# Altium PCB Wl-FRONT.PcbDoc
Units mm, origin at the board's own origin, x right, y up, seen from the top; angles counter-clockwise.
Board outline 140 x 64.5 mm, 2 copper layers (Top Layer, Bottom Layer), stack 1.671 mm thick; 40 components, 47 nets, 211 pads, 63 vias.
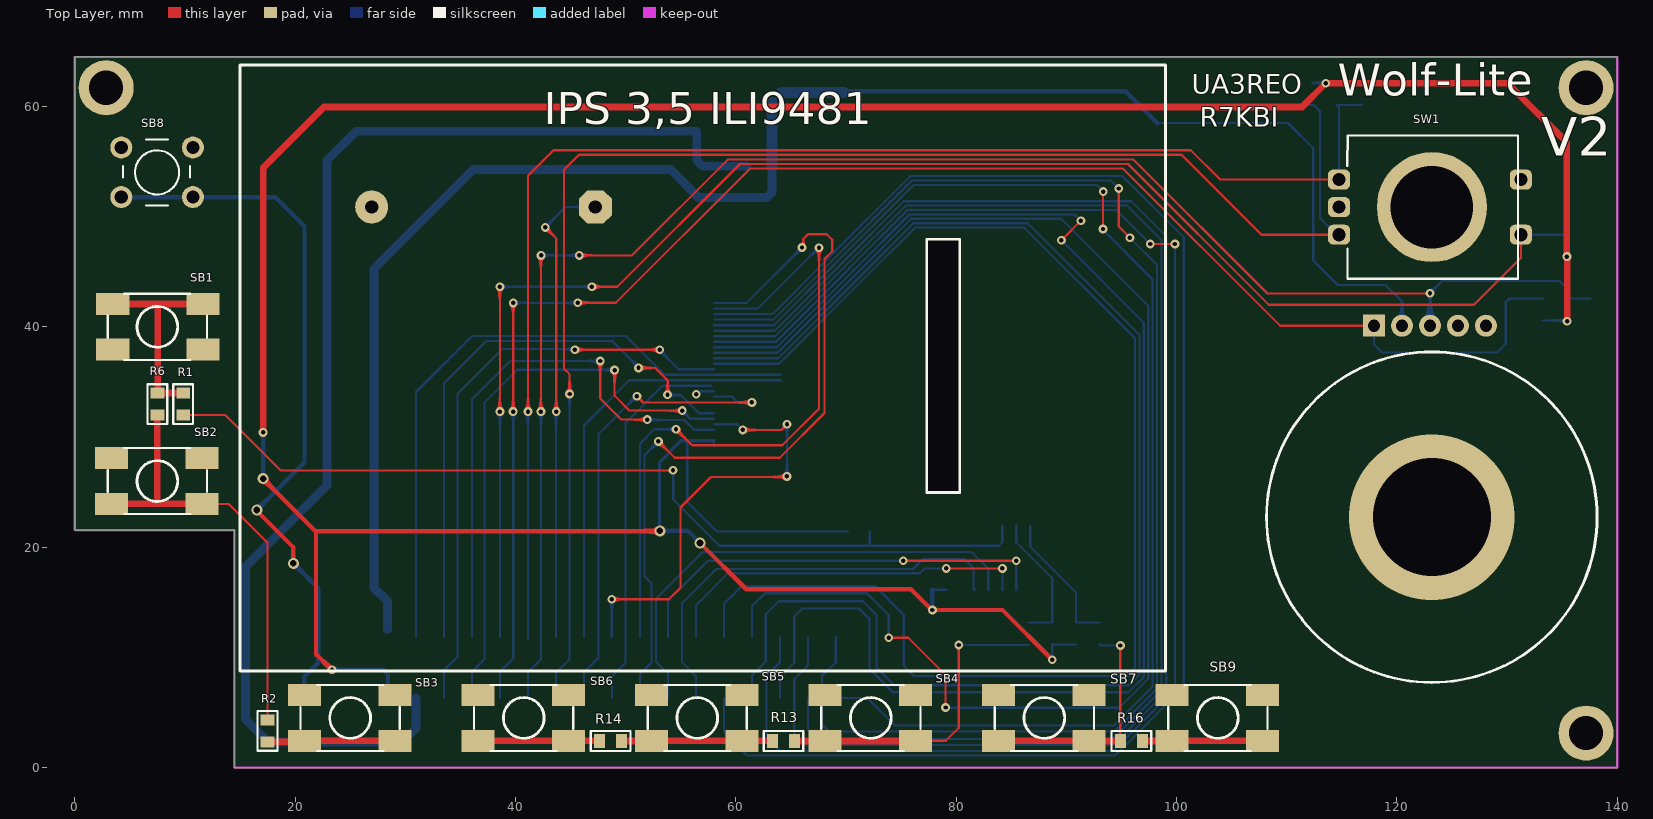
[diagram p0: Top Layer view]
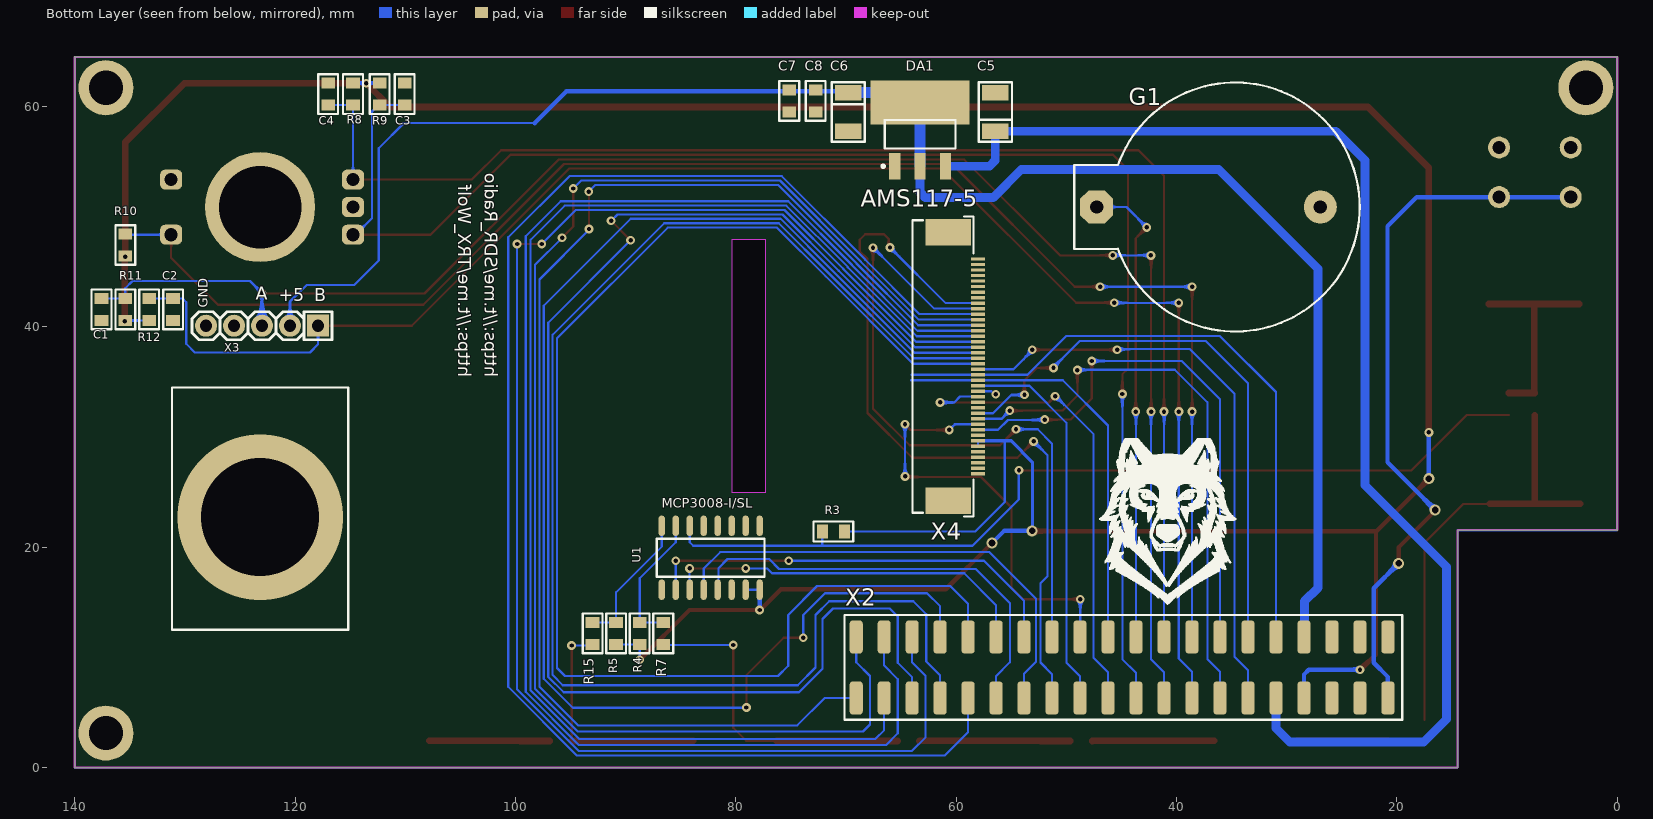
[diagram p1: Bottom Layer view, seen from below]

## Layer stack, top to bottom
Top Solder: solder mask 0.0102, Solder Resist, Dk 3.5
Top Layer: signal copper 0.0356
Dielectric 1: dielectric 1.6, FR-4, Dk 4.8
Bottom Layer: signal copper 0.0356
Bottom Solder: solder mask 0.0102, Solder Resist, Dk 3.5

## Board outline
0,21.55 0,64.5 140,64.5 140,0 14.5,0 14.5,21.55
cut-out: 77.325,24.95 80.325,24.95 80.325,47.95 77.325,47.95

## Design rules (kind name [scope] priority, off if disabled: settings)
Clearance [All] p1: gap=0.2 ignorepadtopadclearanceinfootprint=FALSE except(0: Arc-Hole Track-Hole SMDPad-Hole THPad-Hole Via-Hole Fill-Hole Poly-Hole Region-Hole Text-Hole)
ComponentClearance [All] p1: gap=0 collisioncheckmode=3 verticalgap=0 showdistances=FALSE
PolygonConnect [All] p1: connectstyle=Relief reliefconductorwidth=0.254 reliefentries=4 polygonreliefangle="90 Angle" airgapwidth=0.254
RoutingVias [All] p1: holewidth=0.4 width=0.8 viastyle="Through Hole" minholewidth=0.3 minwidth=0.6 maxholewidth=4 maxwidth=5
SolderMaskExpansion [All] p1: expansion=0.102 istentingtop=FALSE
Width [All] p1: maxlimit=1 minlimit=0.15 preferedwidth=0.2
29 further rules are at their usual default settings.

## Components (designator, comment, footprint, x,y, rotation, side; value= is the part's Value field where it differs from the comment)
C1 "0.1" CH0805C 137.575,41.575 r270 bottom
C2 "0.1" CH0805C 131.075,41.575 r270 bottom
C3 "0.1" CH0805C 110.05,61.125 r90 bottom
C4 "0.1" CH0805C 117,61.125 r90 bottom
C5 "10uF 10V" TANTAL_B 56.446,59.5 r90 bottom
C6 "10uF 10V" TANTAL_B 69.8,59.5 r270 bottom
C7 "0.1" CH0805C 75.15,60.5 r270 bottom
C8 "0.1" CH0805C 72.75,60.5 r270 bottom
DA1 "AMS117-5" SOT223 63.275,57.475 r90 bottom
G1 "3V" "BAT: CH224-2032" 37.1,50.875 r180 bottom
R1 "1K" CH0805R 9.842,32.988 r90 top
R2 "4.7K" CH0805R 17.495,3.325 r270 top
R3 "4K7" CH0805R 71.15,21.427 r180 bottom
R4 "4K7" CH0805R 88.724,12.176 r270 bottom
R5 "4K7" CH0805R 90.863,12.176 r270 bottom
R6 "2K" CH0805R 7.5,32.988 r270 top
R7 "1K" CH0805R 86.585,12.176 r270 bottom
R8 "4.7k" CH0805R 114.75,61.125 r270 bottom
R9 "4.7k" CH0805R 112.325,61.125 r270 bottom
R10 "4.7k" CH0805R 135.408,47.425 r90 bottom
R11 "4.7k" CH0805R 135.408,41.575 r90 bottom
R12 "4.7k" CH0805R 133.242,41.575 r90 bottom
R13 "2K" CH0805R 64.327,2.413 r180 top
R14 "4.7K" CH0805R 48.64,2.413 r180 top
R15 "1K" CH0805R 93.002,12.176 r270 bottom
R16 "2K" CH0805R 95.9,2.413 r0 top
SB1 "\"Кнопка\"" "BUT: 6x6 SMD" 7.5,40 r0 top
SB2 "\"Кнопка\"" "BUT: 6x6 SMD" 7.5,26 r180 top
SB3 "\"Кнопка\"" "BUT: 6x6 SMD" 25,4.5 r180 top
SB4 "\"Кнопка\"" "BUT: 6x6 SMD" 72.25,4.5 r180 top
SB5 "\"Кнопка\"" "BUT: 6x6 SMD" 56.5,4.5 r180 top
SB6 "\"Кнопка\"" "BUT: 6x6 SMD" 40.75,4.5 r180 top
SB7 "\"Кнопка\"" "BUT: 6x6 SMD" 88,4.5 r180 top
SB8 "\"Power\"" "BUT: 6x6" 7.475,54.025 r180 top
SB9 "\"Кнопка\"" "BUT: 6x6 SMD" 103.75,4.5 r180 top
SW1 "PEC12" Valkoder-m2 123.351,51.413 r270 top
U1 "MCP3008-I/SL" 16-SOIC 82.285,19.016 r270 bottom
X2 "FPC 0.5" "CON: PBD2x20" 19.76,6.335 r0 bottom locked
X3 "Valcoder" "CON: PLS-5" 123,40.1 r0 bottom
X4 "IPS 3.5" "IPS 3.5 ILI9481" 15.5,63.6 r0 bottom

## Footprints (in the part's own frame and the unit in brackets; to place one, negate y for a bottom-side part, rotate by r counter-clockwise, add the part's x,y. Pads: shape width x height; smd on the part's side, far side on the other; paste and mask are expansions set on the pad)
16-SOIC [mm]
  oval 1.85x0.6 smd: 1(-2.925,4.448) 2(-2.925,3.178) 3(-2.925,1.908) 4(-2.925,0.638) 5(-2.925,-0.632) 6(-2.925,-1.902) 7(-2.925,-3.172) 8(-2.925,-4.442) 9(2.875,-4.442) 10(2.875,-3.172) 11(2.875,-1.902) 12(2.875,-0.632) 13(2.875,0.638) 14(2.875,1.908) 15(2.875,3.178) 16(2.875,4.448)
  round 0.7 on Bottom Overlay: 10(-2.9,5.4)
  round 0.7 on Mech2: 25(-2.5,4.3)
  silkscreen extent -1.75,-4.9 1.7,4.9, body extent -3.09,-5.01 3.04,4.96, height 1.73
"BAT: CH224-2032" [mm] "Батарейный отсек для элемента 2032"
  oct 3x3 hole 1.2: 1(-10.151,0)
  round 3 hole 1.2: 2(10.152,0)
  silkscreen extent -12.19,-11.3 13.72,11.3, body extent -11.08,-11 13.42,11, height 8.5
"BUT: 6x6" [mm] "Leaded Tactile Button 6x6"
  round 2 hole 1.2: 1(-3.25,2.25) 1(3.25,2.25) 2(-3.25,-2.25) 2(3.25,-2.25)
  silkscreen extent -3,-2.99 3.1,3.01, body extent -3.15,-2.96 3.25,3.04, height 4.5
"BUT: 6x6 SMD" [mm] "Leaded Tactile Button 6x6"
  rect 3x2 smd: 1(-4.05,2.075) 1(4.15,2.075) 2(-4.05,-2.075) 2(4.15,-2.075)
  silkscreen extent -4.5,-3 4.5,3, body extent -4.5,-3 4.5,3, height 9.5
CH0805C [mm] "Chip Capacitor, 2-Leads, Body 2,00x1,20mm, IPC Medium Density"
  rect 1x1.25 smd: 1(-1,0) 2(1,0)
  silkscreen extent -1.8,-0.9 1.8,0.9, body extent -1,-0.62 1,0.63, height 0.78
CH0805R [mm]
  rect 1x1.25 smd: 1(-1,0) 2(1,0)
  silkscreen extent -1.8,-0.9 1.8,0.9, body extent -1,-0.6 1,0.6, height 0.44
"CON: PBD2x20" [mm]
  round 0.5 on Bottom Overlay: 0(-0.945,-4.715)
  rrect50% 1.2x3 smd: 1(1.055,0.025) 2(1.055,-5.515) 3(3.595,0.025) 4(3.595,-5.515) 5(6.135,0.025) 6(6.135,-5.515) 7(8.675,0.025) 8(8.675,-5.515) 9(11.215,0.025) 10(11.215,-5.515) 11(13.755,0.025) 12(13.755,-5.515) 13(16.295,0.025) 14(16.295,-5.515) 15(18.835,0.025) 16(18.835,-5.515) 17(21.375,0.025) 18(21.375,-5.515) 19(23.915,0.025) 20(23.915,-5.515) 21(26.459,0.025) 22(26.459,-5.515) 23(28.999,0.025) 24(28.999,-5.515) 25(31.539,0.025) 26(31.539,-5.515) 27(34.079,0.025) 28(34.079,-5.515) 29(36.619,0.025) 30(36.619,-5.515) 31(39.159,0.025) 32(39.159,-5.515) 33(41.699,0.025) 34(41.699,-5.515) 35(44.239,0.025) 36(44.239,-5.515) 37(46.779,0.025) 38(46.779,-5.515) 39(49.319,0.025) 40(49.319,-5.515)
  round 0.5 on Mech2: ""(0.455,-4.715)
  silkscreen extent -0.25,-7.5 50.37,2, body extent -0.25,-6.07 50.56,0.47, height 7.5
"CON: PLS-5" [mm]
  rect 2x2 hole 1.1: 1(-5.08,0)
  round 2 hole 1.1: 2(-2.54,0) 3(0,0) 4(2.54,0) 5(5.08,0)
  silkscreen extent -6.35,-1.27 6.35,1.27, body extent -6.35,-1.27 6.35,1.27, height 8.54
"IPS 3.5 ILI9481" [mm] "IPS 3.5 ILI9481"
  rect 1.25x0.3 smd: 1(42.525,36.95) 2(42.525,36.45) 3(42.525,35.95) 4(42.525,35.45) 5(42.525,34.95) 6(42.525,34.45) 7(42.525,33.95) 8(42.525,33.45) 9(42.525,32.95) 10(42.525,32.45) 11(42.525,31.95) 12(42.525,31.45) 13(42.525,30.95) 14(42.525,30.45) 15(42.525,29.95) 16(42.525,29.45) 17(42.525,28.95) 18(42.525,28.45) 19(42.525,27.95) 20(42.525,27.45) 21(42.525,26.95) 22(42.525,26.45) 23(42.525,25.95) 24(42.525,25.45) 25(42.525,24.95) 26(42.525,24.45) 27(42.525,23.95) 28(42.525,23.45) 29(42.525,22.95) 30(42.525,22.45) 31(42.525,21.95) 32(42.525,21.45) 33(42.525,20.95) 34(42.525,20.45) 35(42.525,19.95) 36(42.525,19.45) 37(42.525,18.95) 38(42.525,18.45) 39(42.525,17.95) 40(42.525,17.45)
  rect 4.15x2.4 smd: 41(45.225,15) 41(45.225,39.4)
  round 0.5 on Bottom Overlay: ""(42.025,16.7)
  round 0.5 on Mech2: ""(42.625,14.65)
  silkscreen extent 42.93,13.57 48.48,40.83, body extent 42.13,14.07 48.33,40.32, height 1.88
SOT223 [mm] "SOT223, 4-Leads, Body 6,50x7,00mm (avg), Pitch 2,30mm, IPC Medium Density"
  rect 2.4x1 smd: 1(-2.9,2.3) 2(-2.9,0) 3(-2.9,-2.3)
  rect 4x9 smd: 4(2.9,0)
  round 0.5 on Mech2: ""(-3,2.7)
  silkscreen extent -3.02,-3.2 1.3,3.48, body extent -3.48,-3.25 3.48,3.25, height 1.65
TANTAL_B [mm]
  rect 1.4x2.4 smd: 1(-1.75,0) 2(1.75,0)
  round 0.5 on Mech2: ""(-1.4,1)
  silkscreen extent -2.7,-1.5 2.7,1.5, body extent -1.85,-1.46 1.85,1.47, height 2.03
Valkoder-m2 [mm]
  rrect50% 1.8x2 hole 1.2: 1(-1.95,-8.6) 2(0.55,-8.6) 3(3.05,-8.6) 4(-1.95,7.9) 5(3.05,7.9)
  round 10 hole 7.5: 2(0.55,-0.175)
  silkscreen extent -5.95,-7.85 7.05,7.65, body extent -5.97,-7.9 7.12,7.22, height 23.7

## Part data
C1 C2 C3 C4 C7 C8: library part Capacitor
C5 C6: library part TantalCap
DA1: library part AMS117
G1: library part POWER_BAT
R1 R2 R3 R4 R5 R6 R7 R8 R9 R10 R11 R12 R13 R14 R15 R16: library part Resistor
SB1 SB2 SB3 SB4 SB5 SB6 SB7 SB8 SB9: library part "Tactile switches", "6x6 mm"
SW1: "Encoder"
X2: library part FPC-45-0.5, System=Connector
X3: library part 5-Connector
X4: library part "LCD-IPS 3.5"

## Free pads (board coordinates)
  round 5 hole 3.1: 12(2.85,61.7) 12(137.173,3.126) 12(137.173,61.7)

## Via types
v1: diameter 0.8, hole 0.4, Top Layer to Bottom Layer, tented both sides, 57 vias
v2: diameter 1, hole 0.6, Top Layer to Bottom Layer, tented both sides, 5 vias
v3: diameter 15, hole 10.7, Top Layer to Bottom Layer, 1 vias

## Nets (pads, with @x,y where several pads share a name; then routed paths per layer and width w, separated by ;. In a path a pad name is that pad's centre, name@x,y a point inside that pad or via, vN(x,y) a via of type N, cw(c..) or ccw(c..) an arc to the next point about the centre after c; other vN are vias at no path point)
+3.3V: R3.2 R4.2 R5.2 R8.1 R9.1 R10.1 R11.1 R12.1 U1.15 U1.16 X2.7 X4.6 X4.7 | length 311.7
  Top Layer w0.4: v2@17.15,26.15 21.9,21.4 ; v1(23.35,8.875) 23.325,8.875 21.95,10.25 21.9,10.25 21.9,21.4 ; v2@53.025,21.45 21.95,21.45 21.9,21.4 ; v2(56.75,20.375) 60.95,16.175 75.9,16.175 77.779,14.296 v1(77.845,14.296) 84.204,14.296 v1(88.725,9.775)
  Top Layer w0.6: v1(17.093,30.42) 17.1,30.427 17.1,54.425 22.625,59.95 111.4,59.95 v1(113.55,62.1) 130.05,62.1 135.425,56.725 v1(135.425,46.375) 135.45,46.35 v1(135.45,40.5)
  Bottom Layer w0.2: 55.625,29.65 55.6,29.625 55.6,24.1 58.273,21.427 R3.2 ; X4.6 X4.7 ; v1@77.825,14.375 v1@77.837,14.387 ; U1.16 U1.15 ; v1(88.725,9.775) 88.725,11.175 R4.2 R5.2 ; R9.1 R8.1 ; R12.1 R11.1
  Bottom Layer w0.3: v2(53.1,21.475) 53.075,21.5 53.075,27.725 55,29.65 55.625,29.65 X4.7
  Bottom Layer w0.4: v1(17.093,30.42) 17.1,30.413 v2(17.1,26.225) ; v1@23.625,8.875 28,8.875 28.435,8.44 X2.7 ; v2(53.1,21.475) 55.65,21.475 v2(56.75,20.375) ; v1@77.837,14.387 U1.16
+5V: C6.1 C7.1 C8.1 DA1.2 DA1.4 X2.8 X3.2 | length 161.4
  Bottom Layer w0.2: DA1.4 DA1.4@64.15,61.25 ; C6.1 69.925,61.375 70.05,61.5 C8.1 C7.1 ; 98.26,58.49 110.11,58.49 112.4,56.2 112.4,46.025 114.625,43.8 118.95,43.8 120.46,42.29 X3.2
  Bottom Layer w0.4: C6.1@69.925,61.375 95.375,61.375 98.26,58.49
  Bottom Layer w0.8: X2.8@28.4,12.55 28.4,15.075 27.15,16.325 27.15,45.25 36.175,54.275 54.1,54.275 56.65,51.725 62.8,51.725 63.275,52.2 DA1.2
  Bottom Layer w1: DA1.2 DA1.4 ; DA1.4@64.15,61.25 C6.1
+8Power: C5.1 DA1.3 X2.9 | length 115.4
  Bottom Layer w0.8: X2.9 30.975,3.575 29.703,2.303 17.589,2.303 15.5,4.392 15.5,18.225 22.9,25.625 22.9,55.1 25.55,57.75 C5.1 56.446,55.104 56.975,54.575 DA1.3
AD1_CS: U1.10@85.457,16.141 X2.28 | length 39.4
  Top Layer w0.2: v1(75.2,18.769) v1(85.452,18.769) ; v1@85.29,19.011 v1@85.452,19.011
  Bottom Layer w0.2: X2.28 53.839,15.139 57.469,18.769 v1(75.2,18.769) ; U1.10@85.457,16.141 v1@85.457,19.011
ENC2_CLK: C3.1 R9.2 SW1.3 X2.19 | length 137.7
  Top Layer w0.2: v1(44.916,33.902) 44.916,35.691 44.4,36.207 44.4,54.25 45.774,55.624 100.451,55.624 107.712,48.363 SW1.3
  Bottom Layer w0.2: X2.19 43.675,8.6 44.916,9.841 v1(44.916,33.902) ; C3.1@110.233,60.125 112.45,60.125 113.025,59.55 113.025,49.85 114.512,48.363 SW1.3
ENC2_DT: C4.1 R8.2 SW1.1 X2.18 | length 126.9
  Top Layer w0.2: v1(41.14,32.302) 41.14,53.715 43.449,56.024 101.301,56.024 103.962,53.363 SW1.1
  Bottom Layer w0.2: X2.18@41.125,11.7 v1@41.125,32.525 ; R8.2@114.549,60.125 114.751,59.923 SW1.1 ; R8.2@114.699,60.125 C4.1@116.841,60.125
ENC2_SW: R10.2 SW1.5 X2.16 | length 142
  Top Layer w0.2: v1(38.585,32.302) v1@38.585,43.435 ; v1(46.94,43.635) 49.235,43.635 60.375,54.775 95.6,54.775 108.375,42 127,42 131.251,46.251 SW1.5
  Bottom Layer w0.2: v1(38.593,43.635) v1(46.94,43.635) ; X2.16 v1@38.595,32.12 ; SW1.5 R10.2@135.408,48.363
ENC_CLK: C2.1 R12.2 X2.15 X3.1 | length 146.9
  Top Layer w0.2: v1(39.79,32.302) v1@39.79,42.16 ; v1(45.66,42.191) 49.116,42.191 61.3,54.375 95.125,54.375 109.4,40.1 X3.1
  Bottom Layer w0.2: X2.15 38.595,8.695 39.8,9.9 v1@39.8,32.4 ; v1(39.792,42.173) v1@45.452,42.173 ; X3.1 117.92,38.405 118.65,37.675 129.1,37.675 129.875,38.45 129.875,42.225 130.225,42.575 C2.1 R12.2
ENC_DT: C1.1 R11.2 X2.17 X3.3 | length 149.1
  Top Layer w0.2: v1(42.307,32.302) v1@42.307,46.468 ; v1(45.796,46.483) 50.583,46.483 59.275,55.175 96.1,55.175 108.25,43.025 v1@122.975,43.025
  Bottom Layer w0.2: X2.17 41.135,8.635 42.325,9.825 v1@42.325,32.525 ; v1(42.326,46.485) v1@45.74,46.485 ; X3.3 v1@123,42.925 ; v1(123,43.05) 124.1,44.15 134.75,44.15 135.408,43.492 R11.2 C1.1
FSMC_A18: X2.24 X4.10 | length 39.9
  Top Layer w0.2: v1(48.741,15.273) 53.923,15.273 54.975,16.325 54.975,23.6 57.75,26.375 64.581,26.375 v1(64.631,26.425) ; v1(60.632,30.64) 64.135,30.64 v1(64.647,31.152)
  Bottom Layer w0.2: v1(48.741,15.273) 48.741,11.868 X2.24 ; X4.10 60.125,31.15 60.55,30.725 v1@60.575,30.725 ; v1@64.6,31.152 64.639,31.113 64.639,26.433 v1(64.631,26.425)
FSMC_D0: X2.23 X4.17 | length 34.6
  Bottom Layer w0.2: X2.23 48.759,8.284 50,9.525 50,31.3 53.35,34.65 X4.17@57.725,34.65
FSMC_D1: X2.22 X4.18 | length 38.8
  Bottom Layer w0.2: X2.22 46.219,31.044 50.325,35.15 X4.18 64.112,35.15
FSMC_D2: X2.10 X4.19 | length 58.9
  Bottom Layer w0.2: X2.10 30.975,34.075 36.075,39.175 50,39.175 53.525,35.65 X4.19 64.047,35.65
FSMC_D3: X2.11 X4.20 | length 53.7
  Top Layer w0.2: v1(45.392,37.914) v1(53.092,37.914)
  Bottom Layer w0.2: X2.11 33.515,8.84 34.75,10.075 34.75,33.95 38.775,37.975 v1@45.258,37.975 ; v1@53.05,37.9 54.8,36.15 X4.20
FSMC_D4: X2.32 X4.21 | length 124.8
  Bottom Layer w0.2: X4.21 63.915,36.65 71.85,44.585 76.265,49 86.175,49 96.225,38.95 96.225,9.025 95.5,8.3 76.175,8.3 75.25,9.225 75.25,13.85 72.625,16.475 60.525,16.475 58.919,14.869 X2.32
FSMC_D5: X2.33 X4.22 | length 127.6
  Bottom Layer w0.2: X4.22 63.85,37.15 71.45,44.75 76.1,49.4 86.5,49.4 96.625,39.275 96.625,8.391 95.709,7.475 74.375,7.475 72.775,9.075 72.775,13.85 71.525,15.1 63.9,15.1 62.725,13.925 62.725,9.625 61.459,8.359 X2.33
FSMC_D6: X2.34 X4.23 | length 129
  Top Layer w0.2: v1(73.875,11.775) 75.65,11.775 79.041,8.384 v1(79.041,5.453)
  Bottom Layer w0.2: X4.23 63.784,37.65 71.05,44.916 75.934,49.8 89.533,49.8 97.425,41.908 97.425,8.06 94.79,5.425 v1@79.2,5.425 ; X2.34 61.459,14.634 62.65,15.825 71.9,15.825 73.875,13.85 v1(73.875,11.775)
FSMC_D7: X2.35 X4.24 | length 130
  Top Layer w0.2: v1(89.55,47.85) 91.315,49.615 v1(91.315,49.623)
  Bottom Layer w0.2: X4.24 63.718,38.15 70.65,45.082 75.768,50.2 90.738,50.2 91.263,49.675 v1@91.275,49.675 ; X2.35 X2.35 64,8.2 65.3,9.5 65.3,13.7 66.025,14.425 71.175,14.425 72.125,13.475 72.125,8.975 74.275,6.825 95.625,6.825 97.025,8.225 97.025,40.375 v1(89.55,47.85)
FSMC_D8: X2.36 X4.25 | length 137.8
  Top Layer w0.2: v1(97.608,47.513) 99.801,47.513 v1@99.853,47.461
  Bottom Layer w0.2: X4.25 63.652,38.65 70.25,45.248 70.25,45.272 75.578,50.6 94.525,50.6 v1@97.5,47.625 ; X2.36 63.999,9.524 62.775,8.3 62.775,2.75 64.025,1.5 94.259,1.5 99.853,7.094 v1@99.853,47.461
  other v1: 99.853,47.513
FSMC_D9: X2.37 X4.26 | length 124.9
  Bottom Layer w0.2: X4.26 63.587,39.15 69.85,45.413 69.85,45.438 75.412,51 95.525,51 98.625,47.9 98.625,6.997 94.228,2.6 67.325,2.6 66.539,3.386 X2.37
FSMC_D10: X2.38 X4.27 | length 134.1
  Bottom Layer w0.2: X4.27 63.521,39.65 69.45,45.579 69.45,45.603 75.247,51.4 95.9,51.4 99.075,48.225 99.075,6.881 94.244,2.05 66.35,2.05 65.3,3.1 65.3,8.025 66.539,9.264 X2.38
FSMC_D11: X2.39 X4.28 | length 118.9
  Top Layer w0.2: v1(93.326,48.878) 93.326,52.251 v1(93.35,52.275)
  Bottom Layer w0.2: X4.28 63.455,40.15 69.05,45.745 69.05,45.769 76.156,52.875 92.75,52.875 v1(93.35,52.275) ; X2.39 71.94,6.31 74.425,3.825 94.322,3.825 97.825,7.328 97.825,44.3 93.326,48.799 v1(93.326,48.878)
FSMC_D12: X2.40 X4.29 | length 129.9
  Top Layer w0.2: v1(94.75,52.55) 94.75,49.105 v1(95.768,48.087)
  Bottom Layer w0.2: X4.29 63.39,40.65 68.65,45.91 68.65,45.935 75.99,53.275 94.025,53.275 v1(94.75,52.55) ; X2.40 69.079,9.554 67.825,8.3 67.825,3.9 68.45,3.275 94.337,3.275 98.225,7.163 98.225,45.63 95.805,48.05 v1@95.725,48.05
FSMC_D13: X2.31 X4.30 | length 139.2
  Bottom Layer w0.2: X4.30 63.324,41.15 68.25,46.076 68.25,46.1 75.825,53.675 95.1,53.675 100.65,48.125 100.65,7.325 94.425,1.1 61.025,1.1 58.919,3.206 X2.31
FSMC_D14: X2.26 X4.31 | length 62.7
  Top Layer w0.2: v1(54.575,30.7) 56.025,29.25 64.225,29.25 67.55,32.575 v1(67.55,47.175)
  Bottom Layer w0.2: X2.26 51.299,29.399 52.6,30.7 v1(54.575,30.7) ; X4.31 62,41.65 67.525,47.175 v1(67.55,47.175)
FSMC_D15: X2.25 X4.32 | length 71.8
  Top Layer w0.2: v1(52.975,29.6) 54.45,28.125 64,28.125 68.05,32.175 68.05,46.15 68.75,46.85 68.75,47.902 68.25,48.402 66.552,48.402 66.119,47.969 66.119,47.316 v1(66.005,47.201)
  Bottom Layer w0.2: X2.25 51.299,8.474 52.35,9.525 52.35,16.725 51.7,17.375 51.7,28.325 v1(52.975,29.6) ; X4.32 60.954,42.15 v1(66.005,47.201)
FSMC_NE1: X2.14 X4.9 | length 49.5
  Top Layer w0.2: v1(47.7,36.9) 47.7,33.5 49.625,31.575 v1(51.959,31.575)
  Bottom Layer w0.2: X2.14 36.055,33.43 39.525,36.9 v1(47.7,36.9) ; v1@52.065,31.55 55.3,31.55 56.2,30.65 X4.9
FSMC_NOE: X2.12 X4.12 | length 52.7
  Top Layer w0.2: v1(51.168,36.27) 52.68,36.27 53.825,35.125 53.825,33.868 v1(53.796,33.838)
  Bottom Layer w0.2: X2.12 33.515,34.89 37.325,38.7 48.8,38.7 v1@51.2,36.3 ; v1(53.796,33.838) 53.83,33.805 54.995,33.805 56.65,32.15 X4.12
FSMC_NWE: X2.13 X4.11 | length 52.4
  Top Layer w0.2: v1(49,36.071) 49,33.75 50.357,32.393 v1(55.138,32.393)
  Bottom Layer w0.2: X2.13 36.055,8.705 37.2,9.85 37.2,33.15 40.15,36.1 v1@48.864,36.1 ; v1(55.138,32.393) 55.881,31.65 X4.11
GB-3.3V: G1.1 X2.20 | length 42.9
  Top Layer w0.2: v1(42.7,49.025) 43.698,48.027 43.698,32.523 v1@43.675,32.5
  Bottom Layer w0.2: v1(42.7,49.025) 44.55,50.875 G1.1 ; X2.20 v1@43.675,32.45
  other v1: 43.696,32.302
GND: C1.2 C2.2 C3.2 C4.2 C5.2 C6.2 C7.2 C8.2 DA1.1 G1.2 pad.12 SB1.2 SB2.2 SB3.2 SB4.2 SB5.2 SB6.2 SB7.2 SB8.2 SB9.2 SW1.2 SW1.4 U1.9 U1.14 X2.2 X2.3 X2.4 X2.6 X3.5 X4.5 X4.16 X4.37 X4.41 | length 1.7
  Bottom Layer w0.2: v1(56.403,33.881) 56.551,33.881 56.82,34.15 X4.16
  other v3: 123.169,22.726
NetR1_1: R1.1 R3.1 U1.6 | length 83.7
  Top Layer w0.2: R1.1 13.65,31.988 18.668,26.97 54.295,26.97 v1(54.3,26.975)
  Bottom Layer w0.2: v1(54.3,26.975) 54.325,26.95 54.325,24.325 58.525,20.125 72.15,20.125 ; R3.1 72.15,20.125 ; U1.6 84.187,20.437 83.875,20.125 72.15,20.125
NetR1_2: R1.2 R6.1 SB1.1 | length 18.6
  Top Layer w0.6: SB1.1@3.45,42.075 7.55,42.075 ; R1.2 R6.1 7.55,34.038 7.55,42.075 ; SB1.1@11.65,42.075 7.55,42.075
NetR2_1: R2.1 R6.2 SB2.1 | length 39.8
  Top Layer w0.2: 7.45,23.925 7.5,23.975 ; SB2.1@11.55,23.925 13.975,23.925 17.495,20.405 R2.1
  Top Layer w0.6: SB2.1@3.35,23.925 7.45,23.925 SB2.1@11.55,23.925 ; 7.5,23.975 R6.2
NetR2_2: R2.2 SB3.1 | length 11.6
  Top Layer w0.2: SB3.1@20.75,2.325 SB3.1@20.85,2.425
  Top Layer w0.6: R2.2 SB3.1@20.75,2.325 ; SB3.1@20.85,2.425 SB3.1@29.05,2.425
NetR4_1: R4.1 R7.1 U1.7 | length 12.3
  Bottom Layer w0.2: U1.7 85.457,20.443 88.724,17.176 R4.1 R7.1
NetR5_1: R5.1 R15.1 U1.8 | length 12.6
  Bottom Layer w0.2: U1.8 86.727,20.048 90.863,15.912 R5.1 R15.1
NetR7_2: R7.2 R13.1 SB4.1 | length 29.2
  Top Layer w0.2: SB4.1@76.3,2.425 79.05,2.425 80.225,3.6 v1@80.225,11.075
  Top Layer w0.6: R13.1 76.287,2.413 SB4.1@76.3,2.425
  Bottom Layer w0.2: v1(80.226,11.124) 86.533,11.124 R7.2
NetR13_2: R13.2 R14.1 SB5.1 | length 13.7
  Top Layer w0.6: R14.1 52.338,2.413 52.35,2.425 60.55,2.425 63.315,2.425 R13.2
NetR14_2: R14.2 SB6.1 | length 11
  Top Layer w0.6: SB6.1@36.6,2.425 44.8,2.425 47.627,2.425 R14.2
NetR15_2: R15.2 R16.1 SB7.1 | length 21.7
  Top Layer w0.2: R16.1 v1@94.9,11.1
  Top Layer w0.6: SB7.1@83.85,2.425 92.05,2.425 92.062,2.413 R16.1
  Bottom Layer w0.2: R15.2 93.102,11.075 v1(94.904,11.075)
NetR16_2: R16.2 SB9.1 | length 10.9
  Top Layer w0.6: R16.2 99.588,2.413 99.6,2.425 SB9.1@107.8,2.425
ON/OFF: SB8.1 X2.1 | length 64.4
  Top Layer w0.4: v2@16.55,23.275 19.85,19.975 v2(19.85,18.525)
  Bottom Layer w0.4: SB8.1@4.725,51.775 11.225,51.775 18.2,51.775 20.85,49.125 20.85,27.7 v2(16.525,23.375) ; v2@19.95,18.425 22.1,16.275 22.1,9.5 20.815,8.215 X2.1
PERI_MISO: U1.12 X2.27 | length 43.9
  Bottom Layer w0.2: X2.27 53.839,8.511 52.75,9.6 52.75,15.322 56.978,19.55 81.425,19.55 82.917,18.058 U1.12
PERI_MOSI: U1.11 X2.30 | length 34
  Top Layer w0.2: v1(79.107,18.069) v1(84.194,18.069)
  Bottom Layer w0.2: X2.30 56.379,14.729 59.275,17.625 76.725,17.625 77.175,18.075 79.101,18.075 v1(79.107,18.069) ; U1.11 84.191,16.144 84.191,18.065 v1(84.194,18.069)
PERI_SCK: U1.13 X2.29 | length 39.6
  Bottom Layer w0.2: X2.29 56.379,8.296 55.125,9.55 55.125,14.925 58.225,18.025 76.075,18.025 76.975,18.925 80.75,18.925 81.575,18.1 81.575,16.213 U1.13
STM_NRST: X2.21 X4.15 | length 43.8
  Top Layer w0.2: v1(51.018,33.701) 51.58,33.138 v1(61.459,33.138)
  Bottom Layer w0.2: X2.21 46.219,8.644 47.525,9.95 47.525,30.25 50.976,33.701 v1(51.018,33.701) ; X4.15 58.046,33.671 59.654,33.671 60.187,33.138 v1(61.459,33.138) v1@61.489,33.169
pads on no net: C5. C6. DA1. U1.1 U1.2 U1.3 U1.4 U1.5 U1.10@76.885,21.916 U1.25 X2. X2.0 X2.5 X3.4 X4. X4.1 X4.2 X4.3 X4.4 X4.8 X4.13 X4.14 X4.33 X4.34 X4.35 X4.36 X4.38 X4.39 X4.40

## Polygon pours and split planes (outlines as drawn)
GND on Bottom Layer "GND" (solid, remove dead copper, shelved, pour order 3): 0,64.5 0,21.5 14.5,21.5 14.5,0 140,0 140,64.5
GND on Bottom Layer "Bottom Layer-No Net" (solid, shelved, pour order 0): 0,64.5 140,64.5 140,0 14.5,0 14.5,21.5 0,21.5
GND on Top Layer "GND" (solid, remove dead copper, shelved, pour order 4): 0,64.5 0,21.55 0.05,21.5 14.5,21.5 14.5,0 140,0 140,64.5
GND on Top Layer "Top Layer-No Net" (solid, shelved, pour order 2): 0,64.5 0,21.55 0.05,21.5 14.5,21.5 14.5,0 140,0 140,64.5

## Keep-outs
Keep-Out Layer:
  the board outline again, w0.2

## Silkscreen, mask and mechanical layers (free items; w line width, h text height)
Top Overlay:
  circle w0.254: c123.169,22.726 r15
  lines w0.254: 15,8.75 15,63.75 99,63.75 99,8.75 15,8.75 ; 77.325,24.95 80.325,24.95 80.325,47.95 77.325,47.95 77.325,24.95
  text "UA3REO" at 101.375,60.575 h3
  text "Wolf-Lite" at 114.65,60.024 h5
  text "R7KBI" at 102.1,57.575 h3
  text "IPS 3,5 ILI9481" at 42.55,57.434 h5
  text "V2" at 133.1,54.35 h6
Bottom Overlay:
  drawing of 3231 lines, arcs and shapes, not listed
  text "A" at 123.55,42.025 h2
  text "B" at 118.275,41.925 h2
  text "+5" at 121.475,41.9 h2
  text "GND" at 127.6,41.725 h1.5 r270
  text "https://t.me/SDR_Radio" at 103.2,35.425 h2 r90
  text "https://t.me/TRX_Wolf" at 105.6,35.425 h2 r90

## Dimensions
0,64.5 to 140,64.5 on Size